# Altium PCB iMX53_BB_PCB_V1I1.PcbDoc (part 8 of 9)
Units mm, origin at the board's own origin, x right, y up, seen from the top; angles counter-clockwise.
Board outline 165 x 100.5 mm, 6 copper layers (Top, GND, SignalH, SignalV, Power, Bottom); 582 components, 590 nets, 2473 pads, 1817 vias.
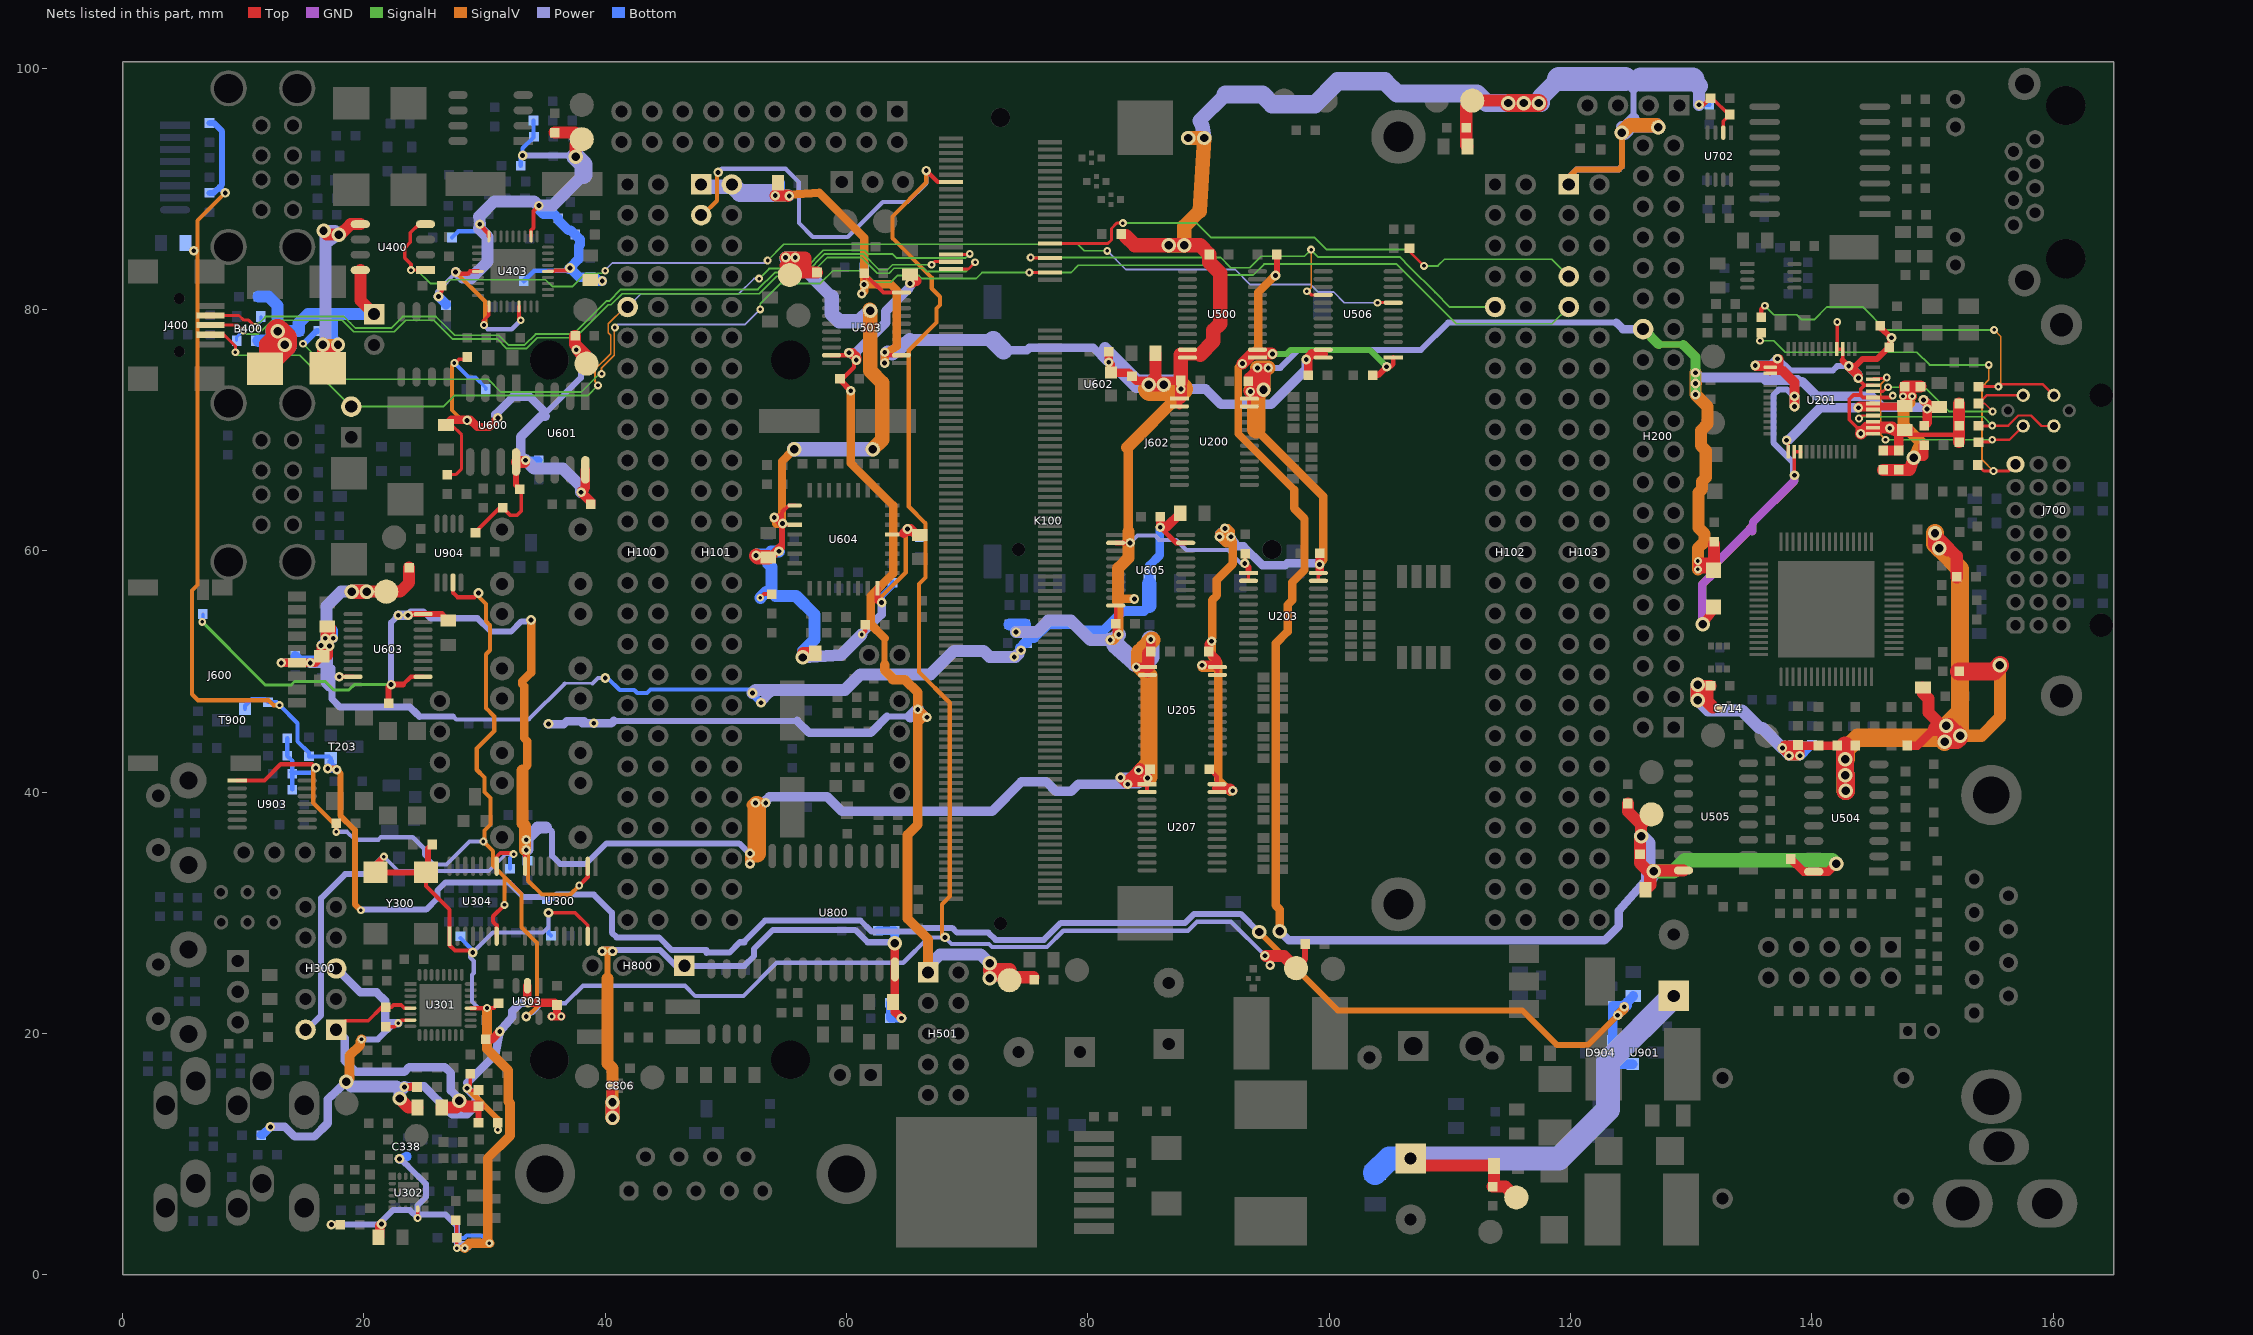
[diagram p12: the nets of this part, all layers, seen from the top]

## Via types
v1: diameter 0.65, hole 0.3, Top to Bottom, tented both sides, 1294 vias
v2: diameter 0.8, hole 0.4, Top to Bottom, tented both sides, 303 vias
v3: diameter 1.2, hole 0.7, Top to Bottom, tented both sides, 213 vias
v4: diameter 0.65, hole 0.3, Top to Bottom, 4 vias
v5: diameter 1.2, hole 0.7, Top to Bottom, 1 vias
v6: diameter 1.27, hole 0.711, Top to Bottom, tented both sides, 1 vias
v7: diameter 0.8, hole 0.4, Top to Bottom, 1 vias

## Nets (pads, with @x,y where several pads share a name; then routed paths per layer and width w, separated by ;. In a path a pad name is that pad's centre, name@x,y a point inside that pad or via, vN(x,y) a via of type N, cw(c..) or ccw(c..) an arc to the next point about the centre after c; other vN are vias at no path point) (continued)
USBH1_VBUS: H103.7 K100.30 R403.2 | length 48.5
  Top w0.25: K100.30@76.85,85.45 81.65,85.45 81.95,85.75 81.95,86.7 82.4,87.15 v1(82.9,87.15) ; R403.2@106.65,85.05 106.65,84.8 v1(107.85,83.6)
  SignalH w0.15: v1(82.9,87.15) 89.003,87.15 90.203,85.95 98.8,85.95 99.35,85.4 99.8,84.95 106.5,84.95 v1(107.85,83.6) 109,83.6 109.55,84.15 118.43,84.15 H103.7@119.85,82.73
USBO_DM: B400.4 J400.2 K100.35 | length 68.8
  Top w0.25: J400.2@7.293,79.496 9.654,79.496 10.05,79.1 10.45,79.1 v1(11,78.55) ; v1(67.05,83.7) 67.3,83.95 K100.35@68.65,83.95
  SignalH w0.15: v1(11,78.55) 11.85,79.4 18.35,79.4 18.881,78.869 19.3,78.45 22.25,78.45 23.2,79.4 25.972,79.4 27.522,77.85 31.174,77.85 31.974,77.05 33.326,77.05 34.226,77.95 37.35,77.95 40.082,80.682 40.332,80.682 41.3,81.65 52.65,81.65 54.05,83.05 56.65,83.05 58.2,84.6 61.374,84.6 62.674,83.3 63.401,83.3 63.801,83.7 63.85,83.7 v1(67.05,83.7)
  Bottom w0.25: v1(11,78.55) 11.45,79 B400.4@11.45,79.4
USBO_DP: B400.2 J400.3 K100.37 | length 73.5
  Top w0.25: J400.3@7.293,78.696 9.554,78.696 v1(10,78.25) ; K100.37@68.65,83.35 70.1,83.35 v1(70.65,83.9)
  SignalH w0.15: v1(10,78.25) 10.3,77.95 11.25,77.95 12.4,79.1 18.2,79.1 18.703,78.597 19.15,78.15 22.5,78.15 23.45,79.1 25.772,79.1 27.322,77.55 31.05,77.55 31.85,76.75 33.45,76.75 34.35,77.65 37.5,77.65 40.232,80.382 40.476,80.382 41.394,81.3 52.75,81.3 54.2,82.75 56.85,82.75 58.4,84.3 61.25,84.3 62.55,83 63.526,83 63.926,83.4 64.2,83.4 66.4,83.4 66.65,83.15 69.9,83.15 v1(70.65,83.9)
  SignalH w0.25: v1(10,78.25) v1@10.05,78.25
  Bottom w0.25: B400.2@9.45,77.4 9.45,77.7 v1(10,78.25)
USBO_ID: H100.9 H401.2 J400.4 K100.33 | length 76.7
  Top w0.15: K100.33@68.65,84.55 K100.33@68.7,84.6
  Top w0.25: J400.4@7.293,77.896 8.404,77.896 9.35,76.95 v1(9.35,76.45) ; K100.33@68.65,84.55 70.15,84.55 v1(70.2,84.6)
  SignalH w0.15: v1(9.35,76.45) 9.6,76.2 14.69,76.2 H401.2@18.95,71.94 26.59,71.94 27.5,72.85 30.4,72.85 38.55,72.85 v1(39.4,73.7) ; H100.9@41.85,80.19 H100.9@42.59,80.19 ; v1(52.75,82.55) 53.581,83.381 56.557,83.381 58.076,84.9 61.499,84.9 61.799,84.6 63.8,84.6 64.15,84.25 69.85,84.25 v1(70.2,84.6)
  SignalV w0.15: v1(39.4,73.7) 39.2,73.95 39.15,74 39.15,75.024 40.45,76.324 40.45,77.85 40.25,78.05 40.25,78.8 41.55,80.1 41.76,80.1 H100.9@41.85,80.19 H100.9@41.84,80.19
  Power w0.15: H100.9@41.85,80.19 42.96,81.3 51.074,81.3 52.324,82.55 v1(52.75,82.55)
USBO_PEN: H102.9 K100.34 U506.16 | length 48
  Top w0.25: v1@75.3,84.25 K100.34@76.85,84.25 ; v1@98.2,81.5 98.5,81.2 U506.16@99.5,81.2
  SignalH w0.15: v1(75.25,84.3) 91,84.3 91.85,83.45 93.4,83.45 94.35,84.4 97.95,84.4 v1(98.5,84.95) ; v1@98.5,84.9 99.05,84.35 105.826,84.35 106.671,83.505 108.774,81.402 109.986,80.19 H102.9@113.75,80.19
  SignalV w0.15: v1@98.2,81.5 98.5,81.8 v1(98.5,84.95)
  other v1: 98.15,81.5
USBO_PEN_3V3: U400.1 U400.4 U506.8 | length 91.9
  Top w0.25: v1(23.9,83.25) U400.1@25.1,83.25 ; v1(104,80.55) U506.8@105.3,80.55
  Top w0.3: v1(23.9,83.25) 23.9,83.75 23.387,84.263 23.387,85.087 23.85,85.55 23.85,86.35 24.56,87.06 U400.4@25.1,87.06
  SignalH w0.15: v1(23.9,83.25) 24.4,83.25 25.5,82.15 26.75,82.15 27.05,82.45 35.05,82.45 35.6,81.9 37.3,81.9 38.4,83 39.75,83 v1@39.95,83.2 ; v1(53.45,84.05) 54.8,85.4 79.15,85.4 79.7,84.85 v1(81.6,84.85)
  Power w0.15: v1@39.95,83.2 39.975,83.225 40.6,83.85 53.25,83.85 v1(53.45,84.05) ; v1(81.6,84.85) 83.15,83.3 92.2,83.3 93.45,82.05 98.45,82.05 99.05,81.45 100.35,81.45 101.25,80.55 v1(104,80.55)
  other v1: 40,83.2
USBO_VBUS: H103.9 K100.38 R402.2 | length 120.8
  Top w0.25: v1(75.15,83.05) K100.38@76.85,83.05
  SignalH w0.15: v1(14.95,77.15) 17.9,74.2 30.3,74.2 31.35,73.15 38,73.15 v1@39.4,74.55 ; v1(52.85,80) 52.85,80.45 54.55,82.15 57.824,82.15 58.874,83.2 61.376,83.2 62.326,82.25 63.65,82.25 64.2,82.8 66,82.8 66.25,82.55 70.724,82.55 71.224,83.05 v1(75.15,83.05) 78.6,83.05 79.2,83.65 90.801,83.65 91.601,82.85 93.7,82.85 94.6,83.75 105.577,83.75 108.3,81.027 108.3,81 ; 108.314,81.014 110.527,78.8 118.46,78.8 H103.9@119.85,80.19 ; v1@39.4,74.55 39.5,74.65 v1(39.7,74.65) 39.5,74.55 v1@39.4,74.55
  SignalV w0.15: v1(39.7,74.65) 39.7,75.15 40.75,76.2 40.75,78.45 v1(40.8,78.5)
  Power w0.15: v1(40.8,78.5) 41.05,78.75 51.6,78.75 v1(52.85,80)
  Bottom w0.5: v1(14.95,77.15) 15,77.15 16.05,78.2 R402.2@16.2,78.2
VAUD: C301.2 C305.2 C323.2 C324.2 C325.2 C331.2 C338.3 C340.2 H300.2 L310.2 R307.2 R308.2 U300.19 U301.20 U302.10 U304.1 U304.10 Y300.1 Y300.4 | length 132.2
  Top w0.3: v1@24.45,4.75 U302.10@24.45,5.45 ; C325.2@27.6,4.5 27.7,4.4 v1(27.7,2.198) ; U304.10@31,33.85 31,34.65 31.3,34.95 32.3,34.95 v1(32.4,34.85) ; v2(35.3,30) 37.5,30 38.55,28.95 U300.19@38.55,28.05
  Top w0.35: Y300.4@25.15,33.34 25.15,32.2 27.1,30.25 U304.1@27.1,28.05 27.1,27.3 27.539,26.861 28.857,26.861 v2(29.02,26.698) ; U301.20@28.85,22.088 30.188,22.088 v1(30.2,22.1) 30.75,22.1 C305.2@31.15,22.5
  Top w0.5: v2(17.3,4.15) R308.2@18.05,4.15 ; v1(21.65,34.65) 20.95,33.95 Y300.1@20.95,33.34 Y300.4@25.15,33.34 25.3,33.49 25.3,35.3 C331.2@25.65,35.65
  Top w0.8: C340.2@21.2,3.1 21.3,3.2 21.3,4.05 v2(21.45,4.2)
  SignalV w0.5: v1(27.7,2.198) v1@28.248,2.198
  SignalV w0.8: v1(28.35,2.2) 28.75,2.6 v1(30.4,2.6) 30.25,2.75 30.25,9.65 32.1,11.5 32.1,14.2 31.95,14.35 31.95,16.95 30.2,18.7 v1@30.2,22
  Power w0.3: v1(21.65,34.65) 22.85,33.45 30.35,33.45 31.75,34.85 v1(32.4,34.85)
  Power w0.35: v2@21.4,4.15 v2(21.45,4.2) v2@21.45,4.4 ; v1(27.7,2.198) 28.026,2.524 28.102,2.6 28.35,2.6 29,2.6 ; v1(28.35,2.2) v1@28.4,2.25 ; v1@28.65,2.25 29,2.6 ; v1(30.2,22.1) 29.5,22.1 28.95,22.65 28.95,24.85 29.1,25 29.1,26 28.8,26.3 28.8,26.478 v2(29.02,26.698) 30.672,28.35 34.85,28.35 35.3,28.8 v2(35.3,30) ; v1(30.4,2.6) 29,2.6
  Power w0.5: H300.2@15.16,20.3 15.25,20.3 16.45,21.5 16.45,31.2 18.45,33.2 20.2,33.2 v1(21.65,34.65) ; v2(17.3,4.15) v2@21.4,4.15 ; v2@21.45,4.4 21.962,4.912 ; 21.8,4.75 21.962,4.912 ; 22.15,5.1 21.962,4.912 ; v2(22.95,9.6) 23.65,9 25.15,7.5 25.15,6.45 24.45,5.75 v1@24.45,4.85 ; v1(27.7,2.198) 27.7,4.05 26.75,5 24.6,5 v1@24.45,4.85 ; v1@28.4,2.25 v1@28.65,2.25 ; 21.962,4.912 22.4,5.35 23.798,5.35 v1(24.45,4.698) v1@24.45,4.85
  Bottom w0.3: C323.2@32.1,33.65 32.1,34.55 v1(32.4,34.85)
  Bottom w0.35: R307.2@27.7,3.05 28.312,3.05 28.512,3.25 29.75,3.25 v1(30.4,2.6) ; C324.2@28,27.9 29.02,26.88 v2(29.02,26.698) ; v2(35.3,30) 35.3,28.3 C301.2@35.5,28.1
  Bottom w0.8: v2(22.95,9.6) 22.984,9.566 C338.3@23.55,9.8
VBUP: C905.2 C906.1 H101.3 K100.13 R901.2 R902.2 R902P.2 R907.2 TP903.1 U304.7 U903.1 U904.3 | length 257.3
  Top w0.3: v1(17.7,36.7) R901.2@17.7,37.4
  Top w0.35: U903.1@9.5,40.95 11.75,40.95 13.1,42.3 15.7,42.3 v2(16,42) ; U904.3@27.38,57.362 27.38,56.52 27.75,56.15 29.157,56.15 v2(29.499,56.492) v2@29.507,56.5 ; U304.7@31,28.05 31,28.95 30.7,29.25 30.7,29.7 v1(31.65,30.65) ; v2(66.6,91.5) 67.55,90.55 K100.13@68.65,90.55
  Top w0.5: TP903.1@97.25,25.4 98,26.15 R907.2@98,27.4
  Top w1: v2@94.75,26.4 95.1,26.4 96.25,26.4 TP903.1@97.25,25.4
  SignalV w0.35: v2(16,42) 15.8,41.8 15.8,39.1 17.7,37.2 v1(17.7,36.7) ; v2(29.499,56.492) 29.499,56.201 30.113,55.587 30.113,54.152 30.45,53.814 30.45,51.75 30.114,51.414 30.114,46.95 30.8,46.264 30.8,45.05 29.35,43.6 29.35,41.85 30,41.2 30,40 30.5,39.5 30.5,37.3 30,36.8 v1@30,35.9 ; v1(29.9,35.9) 30.7,35.1 30.7,33.9 33.05,31.55 33.05,28.788 34.338,27.5 34.338,22.187 33.85,21.7 v2(33.45,21.4) ; v1(31.65,30.65) 31.65,32.933 ; H101.3@47.95,87.81 48.06,87.81 49.25,89 49.25,91.25 v2(49.35,91.35) ; v2(66.6,91.5) 66.6,90.5 63.8,87.7 63.8,85.9 67.05,82.65 67.05,81.75 67.75,81.05 67.75,80.366 67.45,80.066 67.45,78.9 65.15,76.6 65.15,63.666 66.55,62.266 66.55,57.784 66,57.234 66,49.95 68.55,47.4 68.55,31.35 67.904,30.704 67.904,28.196 v2(68.15,27.95)
  Power w0.35: v1(17.7,36.7) 18.6,36.7 19.25,36.05 21.2,36.05 21.4,36.25 24.05,36.25 25,35.3 25,34.8 25.8,34 26.85,34 28.75,35.9 v1(29.9,35.9) ; v2(33.45,21.4) 34,21.7 34.8,22.5 36.7,22.5 38.15,23.95 46.6,23.95 47.45,23.1 51.45,23.1 54.2,25.85 64.7,25.85 66.8,27.95 v2(68.15,27.95) 68.7,27.4 71.8,27.4 72.05,27.15 76.6,27.15 77.95,28.5 88.3,28.5 89.05,29.25 91.85,29.25 94.663,26.437 v2(94.664,26.435) v2(95.1,25.65) ; v2(49.35,91.35) 49.65,91.65 54.95,91.65 56.039,90.561 56.039,89.461 ; 56.05,89.45 56.05,87.15 57.2,86 60.1,86 63,88.9 65.05,88.9 66.6,90.45 v2(66.6,91.5)
  Bottom w0.35: C905.2@13.65,44.45 C906.1@13.65,43 14.05,42.6 R902P.2@14.05,41.6 ; R902P.2@14,41.65 R902P.2@14.05,41.6 ; R902.2@14.05,40.2 R902P.2@14.05,41.6 ; v2(16,42) 15.6,41.6 R902P.2@14.05,41.6
VCAN: C800.2 C806.3 C807.2 H800.1 R807.1 R808.1 R819.1 U800.18 | length 57.5
  Top w0.3: C807.2@63.75,22.25 63.975,22.475 C807.2@64,22.5
  Top w0.7: C806.3@40.45,15.65 40.45,14.45 v3(40.6,14.3) ; 64,21.75 64.05,21.75 v2(64.55,21.25) ; 64,21.8 64,22.5 64,22.6 U800.18@64,25.3 v3(64,27.45)
  Top w1.2: v3(40.6,13) v3(40.6,14.3)
  SignalV w0.5: v2(39.75,26.8) v2@39.889,26.787 ; v2@39.849,26.794 v2@39.889,26.787 ; 40.2,24.55 40.2,26.4 ; v2@39.889,26.787 40.593,26.724 40.686,26.716 40.682,26.66 40.678,26.661 40.58,26.676 v2@39.889,26.787
  SignalV w0.8: v2(39.75,26.8) v2(40.6,26.8)
  SignalV w1: 40.2,24.55 40.2,17.5 40.6,17.1 v3(40.6,14.3)
  SignalV w1.2: v3(40.6,13) v3(40.6,14.3)
  Power w0.35: H800.1@46.45,25.6 H800.1@46.56,25.6
  Power w0.5: v2(40.6,26.8) 40.725,26.9 44.55,26.9 45.85,25.6 H800.1@46.45,25.6 ; H800.1@46.56,25.6 51.528,25.6 52.325,26.397 52.325,26.997 53.903,28.575 60.725,28.575 61.75,27.55 63.8,27.55 63.95,27.4 v3@64,27.35
  Power w0.8: v2(39.75,26.8) v2(40.6,26.8)
  Bottom w0.35: v3@63.95,27.8 v3@64,27.75
  Bottom w0.7: R819.1@62.6,28.5 C800.2@64,28.5 64,27.75 v3(64,27.45) ; R808.1@63.6,22.55 R807.1@63.6,21.25 v2(64.55,21.25) ; v2(64.55,21.25) 64.6,21.25 v2(64.55,21.25)
VDDA: C302.2 C318.2 C320.2 H300.1 L300.1 U301.5 | length 27
  Top w0.3: H300.1@17.7,20.3 18.45,21.05 20.35,21.05 21.45,22.15 22.25,22.15 22.45,22.35 23.1,22.35 23.362,22.088 U301.5@23.85,22.088
  Top w0.5: C320.2@29.5,12.6 L300.1@29.5,13.9
  Top w1: C318.2@26.45,13.85 27.65,13.85 v3(27.9,14.4) 28.35,13.95 L300.1@29.5,13.95
  Power w0.7: H300.1@17.7,20.3 18.4,19.6 18.4,17.75 19.35,16.8 23.35,16.8 23.75,17.2 26.7,17.2 27.2,16.7 27.2,15.25 27.9,14.55 v3(27.9,14.4)
VDVI: C714.3 C715.2 L700.2 L701.2 L702.2 R703.1 R704.1 R705.1 R707.1 R708.1 R709.1 R712.1 | length 103.3
  Top w0.3: L700.2@131.6,48.8 L700.2@131.65,48.85
  Top w0.5: L700.2@131.6,48.8 131.6,47.6 132.25,46.95 C714.3@132.3,46.95 ; 138.4,43.85 R708.1@139,43.85
  Top w0.7: R708.1@139,43.85 142.75,43.85 R704.1@143.6,43.85 ; R705.1@147.9,43.85 148.75,43.85 150.05,45.15
  Top w0.8: 138.15,43.45 139,43.45 ; 138.45,43.85 137.75,43.85 v2(137.55,43.65) 138.1,43.1 v2(138.1,43) v2(139,43) 139,43.45 ; R708.1@139,43.85 139,43.45
  Top w1: v3(130.55,48.9) 130.65,48.8 L700.2@131.3,48.8 ; L700.2@131.6,48.8 L700.2@131.3,48.8 ; 131.8,47 131.3,47.5 131.3,47.6 L700.2@131.3,48.8 ; C715.2@149.15,48.65 149.15,48.25 149.65,47.75 149.65,46.6 150.75,45.5 v3(151.15,45.5) ; v3(150.55,60.2) 151.2,60.2 151.35,60.2 152,59.55 L702.2@152,57.8
  Top w1.2: v3(130.55,47.6) v3(130.55,48.9) ; v3(150.2,61.45) v3@150.2,61.2 ; 150.216,45.25 150.9,45.25 v3@151,45.35 ; v3(150.55,60.2) 150.2,60.55 v3@150.2,61.2 ; 151.3,60.1 151.2,60.2 150.875,60.525 v3@150.2,61.2 ; v3@151,45.35 v3(151.15,45.5) 151.2,45.55 151.395,45.55 v3(152.283,44.662) 152.283,44.383 152.05,44.15 v3(151,44.15) v3@151,45.35
  Top w1.5: 142.75,43.85 v3(142.75,42.7) v3(142.75,41.4) 142.8,41.35 v3(142.8,40.1) ; L701.2@152.2,50 155.079,50 v3(155.583,50.504)
  SignalV w1: v3(142.75,42.7) 142.75,43.45 ; v3@150.55,44.5 150.95,44.1 151,44.05 151.67,44.05 v3(152.283,44.662) 154.062,44.662 155.583,46.183 v3(155.583,50.504)
  SignalV w1.5: v3(142.75,42.7) v3(142.75,41.4) 142.8,41.35 v3(142.8,40.1) ; 142.75,43.45 142.8,43.5 ; v3@142.8,42.75 142.8,43.5 ; v3(150.2,61.45) 150.2,60.55 v3(150.55,60.2) 152.283,58.467 152.283,46.633 ; v3@150.55,44.5 143.8,44.5 142.8,43.5 ; v3(151,44.15) 151,44.662 151,45.35 v3(151.15,45.5) 152.283,46.633 ; v3(152.283,44.662) 152.283,45.5 152.283,46.633
  Power w0.35: v3(130.55,48.9) 130.994,48.376
  Power w0.8: v2(137.55,43.65) 137.55,43.55 v2(138.1,43) v2(139,43)
  Power w1: v3(130.55,47.6) 131.4,46.75 134.2,46.75 135.65,45.3 135.9,45.3 v2(137.55,43.65)
  Power w1.2: v3(130.55,47.6) v3(130.55,48.9)
  Bottom w0.8: v2@137.75,43.8 139.6,43.8 ; v2@137.75,43.85 v2(137.55,43.65) 137.55,43.55 v2(138.1,43) v2(139,43) R709.1@139.8,43.8
VEPR: C600.2 C601.2 C633.2 R600.1 R601.1 R602.1 R603.1 R604.1 R606.1 R607.2 TP603.1 U600.8 U601.8 | length 63.4
  Top w0.25: C633.2@26.8,70.4 27.3,70.4 28.1,69.6 28.1,66.8 27.6,66.3 R600.1@26.9,66.3
  Top w0.3: v1(27.5,75.55) 27.55,75.55 27.85,75.85 28.35,75.85 R603.1@28.55,76.05 ; R601.1@29.25,61.55 31.2,63.5 R602.1@31.5,63.5 ; R602.1@31.5,63.55 32.1,62.95 32.7,62.95 33.05,63.3 33.05,64.95 R606.1@32.9,65.1 R606.1@32.9,65.15 ; TP603.1@38.45,75.5 38.45,75.557 TP603.1@38.45,76.15
  Top w0.35: v2@33.25,67.35 v2(33.4,67.5) ; TP603.1@38.45,75.5 TP603.1@38.5,75.5
  Top w0.5: U600.8@32.6,67.35 32.6,65.45 R606.1@32.9,65.15
  Top w0.7: C633.2@26.8,70.4 27.25,70.85 28.55,70.85 28.8,70.85 29.4,70.25 30.4,70.25 30.9,70.75 v2(31.1,71)
  Top w0.8: v2(37.6,76.65) 38.45,75.557 38.478,75.525 TP603.1@38.5,75.5 ; U601.8@38.355,66.7 38.355,65.205 v2(38,64.85) 38.8,64.05 R604.1@38.8,63.85
  Top w1: U600.8@32.7,67.35 v2@33.25,67.35 ; R607.2@37.5,77.8 37.5,77.1 37.775,76.825 TP603.1@38.45,76.15
  SignalV w0.3: v1(27.5,75.55) 27.3,75.35 27.3,71.65 28.15,70.8 v2(28.55,70.8)
  Power w0.35: 35,71.15 35,71.5 ; 35.1,71.25 35.1,71.45
  Power w0.5: 35.1,71.45 37.975,74.325 37.975,76.275 v2(37.6,76.65)
  Power w0.7: v2(31.1,71) 30.9,71.2 30.9,71.3 32.35,72.75 33.75,72.75 35,71.5
  Power w0.8: v2(33.4,67.5) 33,67.9 33,69.45 34.7,71.15 35,71.15
  Power w1: v2(33.4,67.5) 34.1,66.8 36.5,66.8 38,65.3 v2(38,64.85)
  Bottom w0.3: v1(27.5,75.55) 28.7,74.35 29.25,74.35 30.1,73.5 C600.2@30.1,73.4
  Bottom w0.6: v2(33.4,67.5) C601.2@34.5,67.5
VGA_BLUE: J700.C3 R205.2 U201.28 | length 19.6
  Top w0.15: v1@154.63,70.35 154.647,70.367 v1(154.95,70.367)
  Top w0.2: v1(143.9,70.95) 144.15,71.2 U201.28@145.05,71.2 ; v1(154.95,70.367) 156.267,70.367 157.1,71.2 158.15,71.2 159.015,70.335 J700.C3@160.05,70.335
  Top w0.25: R205.2@153.8,70.35 v1@154.63,70.35
  SignalH w0.15: v1(143.9,70.95) 144.05,71.1 154.217,71.1 v1(154.95,70.367)
VGA_GREEN: J700.C2 R204.2 U201.32 | length 16.3
  Top w0.15: R204.2@153.8,72.2 154.306,72.2 v1(154.971,71.536)
  Top w0.2: R204.2@153.8,72.2 154.475,72.875 J700.C2@157.51,72.875
  Top w0.25: U201.32@145.05,73.2 145.9,73.2 v1(146.3,73.55)
  SignalH w0.15: v1(146.3,73.55) 149.35,73.55 151.364,71.536 v1(154.971,71.536)
VGA_HSYNC: C216.2 J700.C4 L204.2 | length 33.7
  Top w0.2: v1(155.45,73.6) 155.627,73.777 159.148,73.777 J700.C4@160.05,72.875
  Top w0.25: C216.2@153.8,73.6 v1(155.45,73.6)
  Top w0.4: L204.2@135.65,79.35 L204.2@135.677,79.408 ; L204.2@135.8,79.35 135.8,80 v1(136.1,80.3)
  SignalH w0.15: v1@136.1,80.17 v1(136.1,80.3) 136.85,79.55 138.75,79.55 139.15,79.15 140.2,79.15 141.25,80.2 144.2,80.2 146.1,78.3 v1(155.1,78.3)
  SignalV w0.15: v1(155.1,78.3) 155.65,77.75 155.65,73.8 v1(155.45,73.6)
VGA_RED: J700.C1 R203.2 U201.34 | length 20
  Top w0.2: v1(154.95,69.199) 156.374,69.199 J700.C1@157.51,70.335
  Top w0.25: U201.34@145.05,74.2 145.1,74.25 146.2,74.25 146.25,74.25 v1(146.2,74.35) ; R203.2@153.8,69 154.751,69 v1(154.95,69.199)
  SignalH w0.15: v1(146.1,69.2) 146.101,69.199 v1(154.95,69.199)
  SignalV w0.15: v1(146.1,69.2) 145.7,69.6 145.7,73.8 146.2,74.3 v1(146.2,74.35)
VGA_VSYNC: C217.2 J700.8 L205.2 | length 33.4
  Top w0.25: v1@135.65,77.4 L205.2@135.65,78.05 ; C217.2@153.75,67.1 154.25,66.6 v1(155.05,66.6) 156.315,66.6 J700.8@156.875,67.16
  SignalH w0.15: v1(135.7,77.4) 136.826,77.4 137.776,76.45 148.7,76.45 149.75,75.4 v1(154.65,75.4)
  SignalV w0.15: v1(154.65,75.4) 154.65,74.15 154.1,73.6 154.1,67.55 v1(155.05,66.6)
VGND: C203.1 C204.1 C205.1 C223.2 L203.2 R202.1 R203.1 R204.1 R205.1 U201.1 U201.2 U201.14 U201.15 U201.25 U201.26 U201.27 U201.31 U201.33 U201.39 U201.40 | length 87.9
  Top w0.3: v2(138.55,66.25) 138.55,66.35 U201.14@138.55,68.2 U201.15@139.05,68.2 ; v1(142.1,78.95) 142.1,76.75 U201.40@142.05,76.7 U201.39@142.55,76.7 142.55,75.75 ; v2@143.8,74.25 144.35,73.7 ; v2(144.05,69.7) 143.75,69.9 143.75,70.2 ; U201.25@145.05,69.7 U201.26@145.05,70.2 ; U201.27@145.05,70.7 U201.26@145.05,70.2 ; U201.33@145.05,73.7 144.35,73.7 ; U201.26@145.1,70.25 U201.26@145.05,70.2 ; L203.2@146.35,76.85 L203.2@146.4,76.85 ; v2@146.4,77.9 v2(146.6,77.65) ; v2@146.648,70.2 146.848,70 ; 143.75,70.2 144.05,70.2 144.55,70.2 U201.26@145.05,70.2 ; 143.75,70.2 143.1,70.85 143.1,72.55 143.45,72.9 144.05,72.9 ; 144.05,72.9 144.25,72.7 v1@146.55,72.7 ; 144.05,72.9 144.05,73.4 144.35,73.7 ; v1@146.55,72.7 v1(146.7,72.85) v1@146.55,72.7
  Top w0.35: U201.2@136.55,74.7 136.55,74.95 ; C205.1@147.2,69.6 147.7,69.6 152.2,69.6
  Top w0.5: 142.55,75.75 v2(143.05,75.3) 143.6,75.3 144.2,75.9 145.4,75.9 L203.2@146.35,76.85 ; R202.1@145.65,78.65 145.65,78.5 v2(146.6,77.65) L203.2@146.4,76.85
  Top w0.7: v3(130.95,53.9) 131.85,55.05 C223.2@131.85,55.326
  Top w0.8: v2(135.3,75.35) 135.35,75.3 137.15,75.3 137.25,75.3 ; 136.55,74.95 137.25,74.95 ; v2@137.25,75.9 137.25,75.3 ; v2(138.55,71.95) v2(138.55,72.8) 138.55,73.95 137.55,74.95 137.25,74.95 ; v2(143.05,75.3) 143.85,74.5 v2(143.85,74.3) ; C204.1@145.9,68.3 C203.1@147.2,68.3 147.2,69.6 147.2,69.648 146.848,70 ; 137.25,74.95 137.25,75.3
  Top w1: v2(144.05,69.7) 144.55,70.2 U201.26@145.05,70.2 146.45,70.2 v2@146.648,70.2 ; v2(146.45,70.15) 146.848,70 C205.1@147.7,70 C205.1@147.95,70 ; R203.1@152.2,69 R204.1@152.2,72.2
  GND w0.7: v3@130.9,53.95 130.9,57.2 131.95,58.25 131.95,58.85 134.85,61.75 134.85,61.8 135.05,61.6 135.05,62.05 ; 135.125,62.375 138.55,65.8 v2(138.55,66.25)
  Power w0.5: v2(137.15,75.9) 137.223,75.927 138.2,74.95 141.75,74.95 142.1,75.3 v2(143.05,75.3) ; v2(138.55,66.25) 138.45,66.35 138.45,67.3 136.8,68.95 136.8,72.9 137.25,73.35 137.95,73.35 138.5,72.8 v2(138.55,72.8)
  Power w0.8: v2(135.3,75.35) 136.6,75.35 v2(137.15,75.9) ; v2(138.55,71.95) v2(138.55,72.8) ; v2(143.05,75.3) 143.85,74.5 v2(143.85,74.3)
VIN: C900.1 C901.1 C912.2 C917.1 L904.1 R900.1 TP900.1 U901.2 | length 48.9
  Top w1: C900.1@106.75,9.64 107.34,9.05 113.65,9.05 L904.1@113.65,9 113.65,7.4 R900.1@113.55,7.3 114.6,7.3 TP900.1@115.5,6.4
  Power w2: C900.1@107.4,9.64 119.04,9.64 123.1,13.7 123.1,17.66 C901.1@128.55,23.11
  Bottom w0.7: C912.2@126.4,20.6 C912.2@126.4,20.96
  Bottom w0.8: U901.2@125.15,19.35 C912.2@126.4,20.6 ; C912.2@126.4,20.96 C901.1@128.55,23.11
  Bottom w2: C917.1@103.8,8.45 104.99,9.64 C900.1@106.75,9.64
VIO: C107.2 C108.2 C110.2 C208.2 C214.2 C219.2 C221.2 C300.2 C508.2 C512.2 C526.2 C602.2 C606.2 C624.2 C634.2 C710.2 H101.1 H101.2 H103.1 R101.2 R321.1 R401.1 R405.1 R614.1 R619.1 R631.1 R632.1 R719.1 R720.1 R909.2 TP103.1 U200.1 U200.2 U203.1 U203.2 U205.1 U205.2 U207.1 U207.2 U300.2 U300.10 U500.23 U500.24 U503.2 U503.10 U506.23 U506.24 U602.2 U603.2 U603.10 U605.2 U605.10 U702.2 | length 481.1
  Top w0.3: v2(23.648,54.65) v2@23.648,54.75 ; U300.10@33.35,33.85 v2@33.35,35.102 ; v2@61.45,82.148 C512.2@61.45,83 63.05,81.4 U503.10@64.55,81.4 ; v2(81.725,75.623) v2@81.9,75.448 ; U602.2@81.9,74.75 U602.2@82.2,74.45 ; C624.2@82.3,53.95 U605.10@82.3,55.3 ; R405.1@82.75,86.1 R405.1@82.75,86.25 ; v2@84.298,41.9 84.3,41.9 C221.2@85.15,41.9 C221.2@84.9,41.65 ; U207.2@84.9,40 U207.1@84.9,40.65 U207.1@84.9,40.8 ; U205.1@85,50.35 U205.1@85,50.352 ; C219.2@85,51.5 85.2,51.7 C219.2@85.2,51.65 ; v2@87.584,73.284 v2(87.7,73.4) ; v2@93.05,58.898 93.05,58.95 C214.2@93.05,59.75 ; U203.2@93.3,57.5 U203.1@93.3,58.15 ; C710.2@131.55,97.5 131.75,97.5 133.1,96.15 R719.1@133.2,96.15 132.65,95.6 U702.2@132.65,94.65
  Top w0.35: 23.25,48.9 23.9,49.55 U603.2@24.9,49.55 ; v1(37.85,32.25) 38.55,32.95 U300.2@38.55,33.85 ; v2(63.163,76.446) 63.408,76.2 U503.2@64.55,76.2 ; v2(130.648,96.95) 131,96.95 C710.2@131.55,97.5
  Top w0.4: U605.2@82.3,60.65 v2(83.5,60.65)
  Top w0.5: C602.2@22.05,47.35 22.05,48.75 v2@22.225,48.925 ; v2(22.25,48.9) 23.25,48.9 ; v2@23.648,54.75 U603.10@24.9,54.75 26.45,54.75 C634.2@27,54.2 ; C624.2@82.3,53.95 82.3,53.3 v2(82.55,53.05) ; U205.2@84.934,49.702 U205.1@84.934,50.352 ; U200.2@87.584,71.952 U200.1@87.584,72.602 ; v2@93.05,58.898 93.3,58.648 U203.1@93.3,58.15
  Top w0.7: v2(81.725,75.623) C606.2@81.725,76.475 ; v2@81.9,75.448 U602.2@81.9,74.75 83.35,74.75 84,74.1 85.05,74.1 85.35,74.1 86.3,74.1 C208.2@87.7,74.1 v2(87.7,73.4) ; U200.1@87.584,72.602 U200.1@87.7,72.718 ; C526.2@98.25,74.55 98.25,75.85 98.25,75.9 98.6,76.25
  Top w0.8: v2(82.7,41.2) v2@83.1,40.8 ; v2(83.3,40.65) 83.25,40.65 v2@83.1,40.8 ; v2(83.998,50.352) U205.1@84.934,50.352 ; C221.2@84.9,41.65 84.9,41.15 84.9,40.8 83.3,40.8 v2@83.1,40.8 ; C219.2@85.2,51.7 v2(85.2,52.65) ; v2(98.1,75.85) 98.55,76.3 99.5,76.3
  Top w1: C110.2@54.3,90.5 54.3,89.63 v2(54.092,89.422) 54.3,89.422 55.128,89.422 v2@55.15,89.4 ; v2@83.35,40.9 84.2,41.75 v2(84.2,41.8) v2@84.3,41.9 ; U205.1@85,50.352 C219.2@85,51.5 ; v3@85.05,73.8 85.35,74.1 85.6,74.35 C108.2@85.6,76.35 ; U200.1@87.7,72.718 v2(87.7,73.4) 87.7,74.5 ; 87.7,76.25 88.25,76.25 89.3,76.25 89.45,76.25 ; C107.2@111.45,93.5 111.35,93.6 111.35,96.8 TP103.1@111.85,97.3 114.65,97.3 v3(114.85,97.1)